# Altium PCB Bran_Main_Assay_PCB_v2_20170828.pcbdoc (part 2 of 5)
Units mm, origin at the board's own origin, x right, y up, seen from the top; angles counter-clockwise.
Board outline 91.65 x 48.25 mm, 6 copper layers (TOP, GND1, Singal, POWER, GND2, BOTTOM), stack 0.8 mm thick; 367 components, 288 nets, 1408 pads, 967 vias.
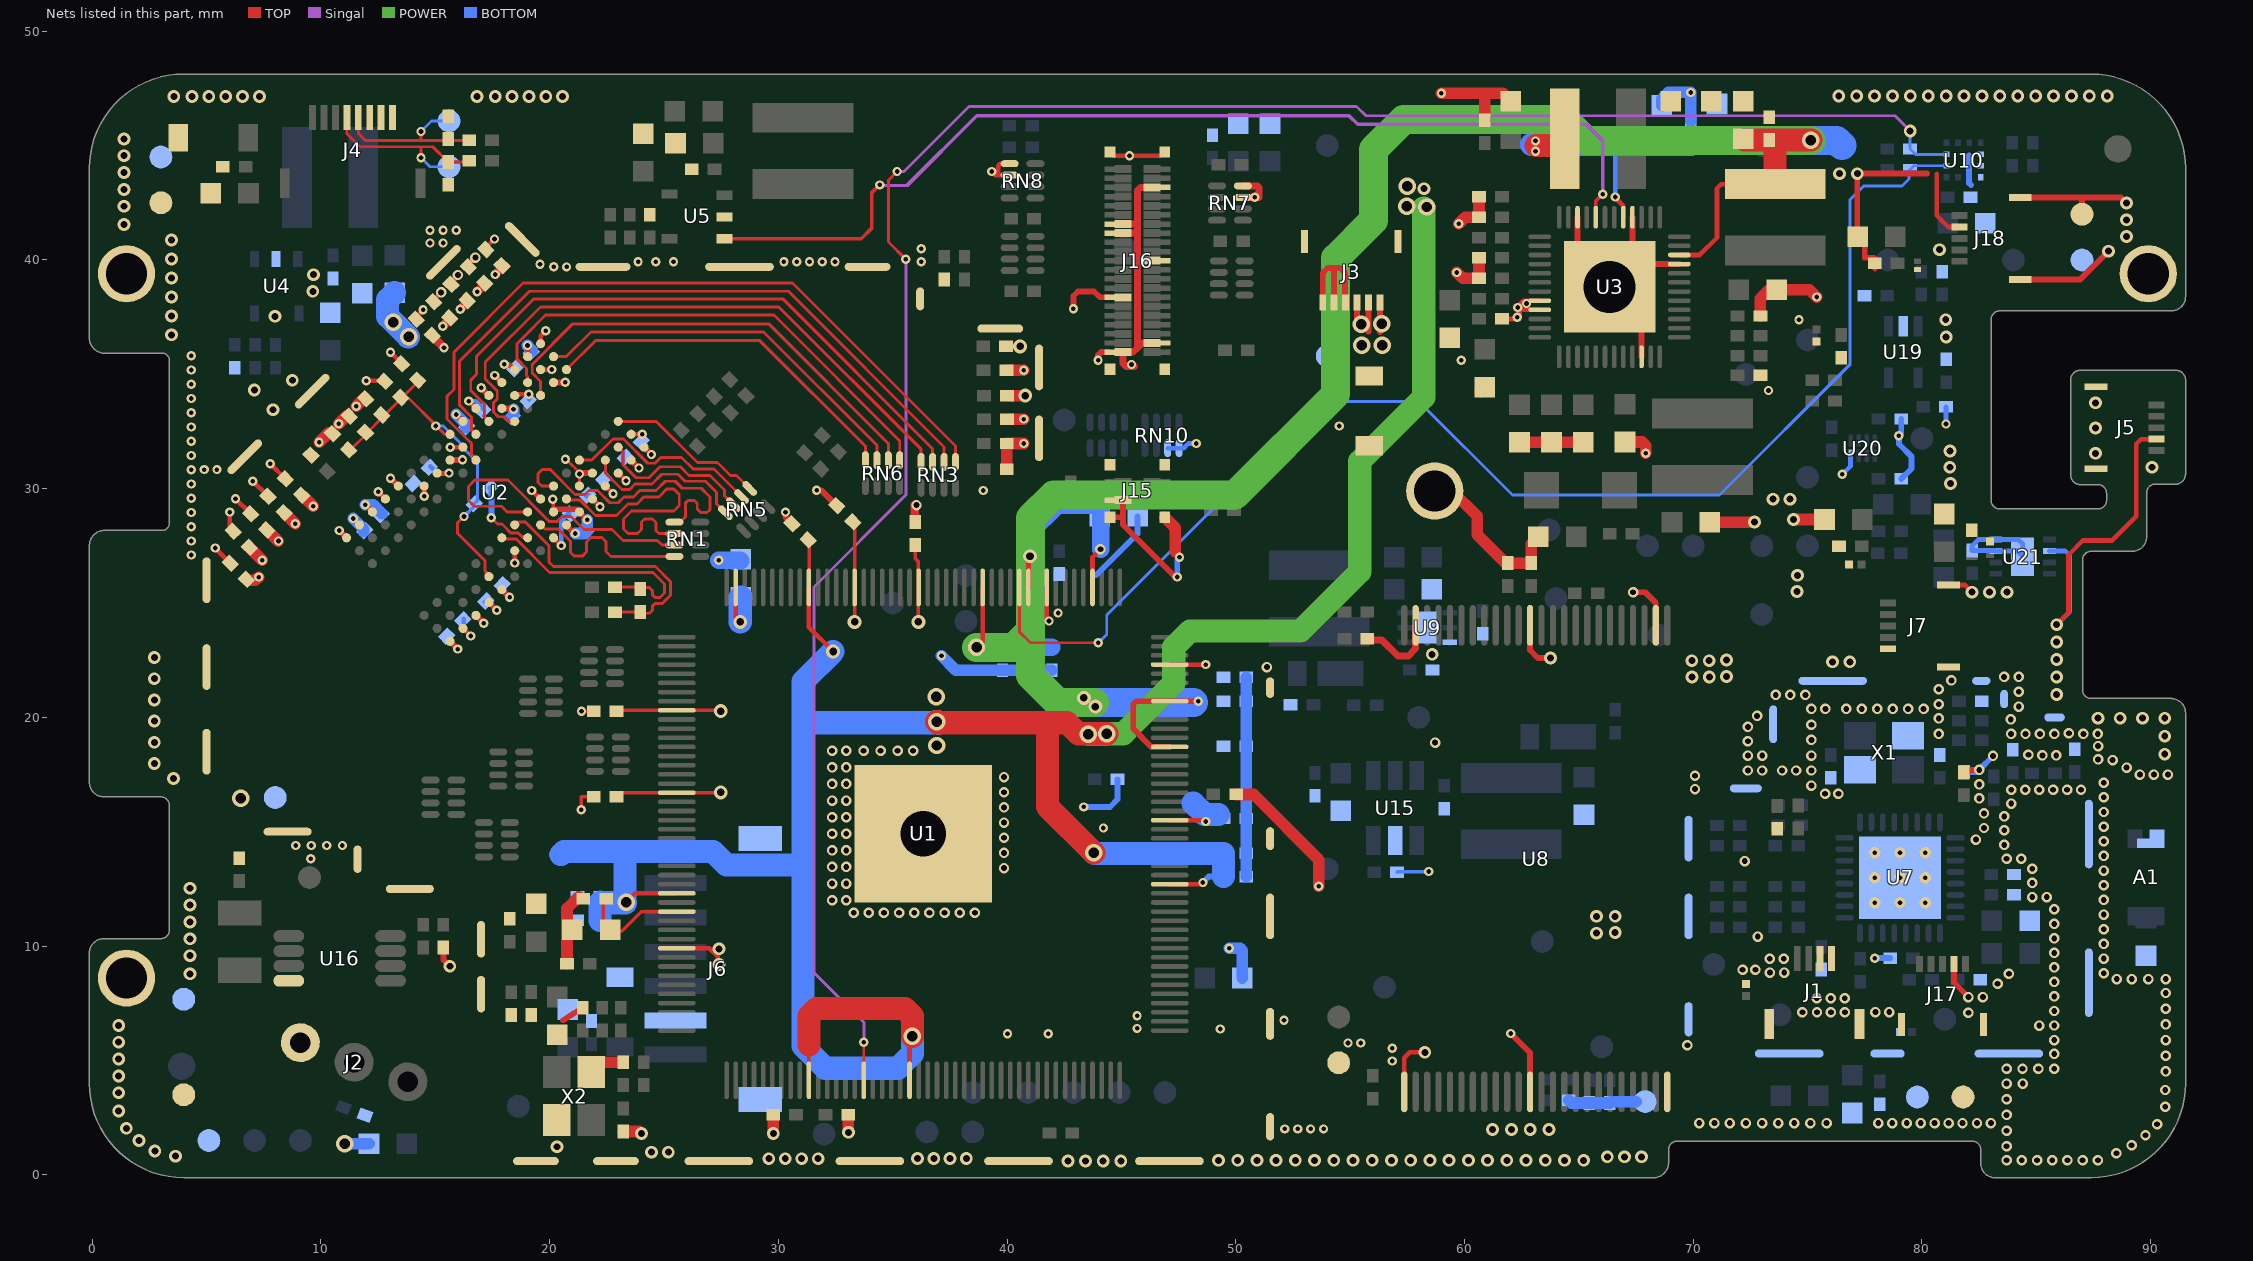
[diagram p6: the nets of this part, all layers, seen from the top]

## Via types
v1: diameter 0.406, hole 0.203, TOP to BOTTOM, tented both sides, 424 vias
v2: diameter 0.457, hole 0.254, TOP to BOTTOM, tented both sides, 256 vias
v3: diameter 0.559, hole 0.305, TOP to BOTTOM, tented both sides, 195 vias
v4: diameter 0.762, hole 0.457, TOP to BOTTOM, tented both sides, 69 vias
v5: diameter 0.61, hole 0.33, TOP to BOTTOM, tented both sides, 11 vias
v6: diameter 0.5, hole 0.2, TOP to BOTTOM, 9 vias
v7: diameter 0.559, hole 0.051, TOP to BOTTOM, tented both sides, 2 vias
v8: diameter 0.508, hole 0.254, TOP to BOTTOM, tented both sides, 1 vias

## Nets (pads, with @x,y where several pads share a name; then routed paths per layer and width w, separated by ;. In a path a pad name is that pad's centre, name@x,y a point inside that pad or via, vN(x,y) a via of type N, cw(c..) or ccw(c..) an arc to the next point about the centre after c; other vN are vias at no path point) (continued)
CORE-VDD: C28.2 C29.2 C30.2 C49.1 C55.1 C56.1 C117.1 L4.2 TP9.1 U1.35 U1.73 U1.98 U1.109 U1.149 U3.17 | length 134.2
  TOP w0.152: U1.98@31.335,4.133 31.335,5.672 ; U1.35@31.335,25.683 31.347,25.694 C49.1@31.347,27.719
  TOP w0.203: v4(23.343,11.919) 23.732,12.308 U1.73@25.56,12.308 ; U1.35@31.335,25.683 31.335,23.938 v5(32.393,22.881) ; U1.109@35.735,4.133 35.735,5.925 v4(35.863,6.053) ; U1.149@47.11,12.708 v1@48.487,12.708 ; v1(66.597,42.756) 66.597,42.715 66.943,42.369 U3.17@66.943,41.869
  TOP w1.016: 31.335,5.672 31.335,6.935 31.672,7.272 35.533,7.272 35.863,6.942 v4(35.863,6.053) ; v4(36.923,19.812) 36.965,19.769 42.634,19.769 43.118,19.285 v4(44.361,19.285) ; 41.768,19.706 41.768,16.099 v4(43.79,14.078) ; 63.143,45.002 64.091,45.002 L4.2@64.385,45.296
  POWER w1.016: v4(43.548,19.272) 43.561,19.285 v4(44.361,19.285) 45.082,19.285 47.293,21.495 47.293,23.071 47.996,23.774 52.822,23.774 55.421,26.373 55.421,31.199 58.215,33.993 v4@58.215,42.27
  BOTTOM w0.203: v1(66.597,42.756) 66.597,44.912
  BOTTOM w0.254: v1(48.563,12.784) 48.817,13.038 C28.2@49.46,13.038
  BOTTOM w0.508: C29.2@22.217,12.166 22.465,11.919 23.292,11.919 v4(23.343,11.919) ; 31.326,5.672 31.326,8.047
  BOTTOM w1.016: TP9.1@20.5,14 20.631,14.131 27.148,14.131 27.738,13.54 30.403,13.54 30.408,13.546 31.072,13.546 ; C117.1@22.199,11.121 22.199,11.895 v4@23.319,11.895 ; v4@23.292,11.919 23.292,14.097 ; v5@32.39,22.876 31.072,21.558 31.072,19.769 ; v4(35.863,6.053) 35.863,5.291 35.228,4.656 32.053,4.656 31.072,5.637 31.072,13.546 ; v4(36.923,19.812) 36.963,19.812 37.006,19.769 31.072,19.769 ; v4@43.823,14.054 C30.2@49.46,14.054 C28.2@49.46,13.038 ; 62.928,45.05 C56.1@69.899,45.05 ; 31.072,13.546 31.072,19.769
  other v1: 63.106,44.748 63.106,45.205
  other v3: 58.231,43.117
  other v4: 36.923,18.77 36.897,20.904 58.344,42.316 57.48,42.342 57.506,43.231
CPU-VDD: C20.2 C21.2 C22.2 C23.2 C24.2 C25.2 C26.2 C27.2 C46.1 C48.1 L2.2 TP8.1 U1.4 U1.9 U1.11 U1.16 U1.156 U1.164 U1.169 U1.173 U3.10 | length 107.5
  TOP w0.203: 38.935,23.333 U1.16@38.935,25.683 ; U1.11@40.935,25.683 40.935,27.047 v5(41.003,27.047) ; U1.9@41.735,25.683 41.735,24.311 v1(41.832,24.214) ; U1.4@43.735,25.683 43.735,27.003 v2(44.082,27.349) ; U1.156@47.11,15.508 v1@48.633,15.508 ; U1.173@47.11,22.308 v1@48.689,22.308 ; U3.10@69.393,40.219 70.283,40.219 71.042,40.978 71.042,43.137 71.222,43.317 L2.2@73.582,43.317
  TOP w0.254: U1.164@47.11,18.708 46.305,18.708 45.515,19.498 45.515,20.581 45.642,20.708 U1.169@47.11,20.708 v1(48.359,20.708)
  TOP w1.016: C46.1@72.24,45.241 C48.1@73.328,45.241 73.582,45.241 ; L2.2@73.582,43.317 73.582,45.241 ; v4@75.138,45.241 73.582,45.241
  POWER w1.27: v4(38.665,23.063) 40.3,23.063 41.029,23.792 ; v5@43.823,20.646 42.225,20.646 41.029,21.842 41.029,23.792 ; v4(75.146,45.233) 65.295,45.233 64.382,46.145 57.338,46.145 56.02,44.827 56.02,41.733 54.368,40.081 54.368,34.131 49.963,29.726 42.038,29.726 41.029,28.716 41.029,23.792
  BOTTOM w0.762: C23.2@39.8,23.063 C21.2@40.943,23.063 ; C22.2@41.959,23.063 C21.2@40.943,23.063 ; v2@44.093,27.349 44.093,29.282 42.222,29.282 41.003,28.063 v5(41.003,27.047) 41.003,23.123 C21.2@40.943,23.063
  BOTTOM w1.016: 48.144,16.251 48.639,15.756 C24.2@49.249,15.756
  BOTTOM w1.27: v5@43.671,20.658 48.132,20.658 ; 48.132,20.646 48.132,20.658 ; 48.144,20.658 48.132,20.658 ; v4(75.146,45.233) 76.267,45.233 TP8.1@76.5,45
  other v1: 48.69,15.451 48.69,22.309
  other v5: 43.864,20.468 43.356,20.849
D+: D7.1 J4.5 R158.1 TP53.1 | length 7.5
  TOP w0.127: J4.5@11.632,46.23 11.632,45.528 11.929,45.231 14.376,45.231 ; v1(14.376,45.618) 14.376,45.231 ; R158.1@16.48,45.231 14.376,45.231
  BOTTOM w0.127: v1(14.376,45.618) 14.835,46.077 TP53.1@15.6,46.077
D-: D8.1 J4.4 R157.1 TP52.1 | length 8.5
  TOP w0.127: J4.4@11.132,46.23 11.132,45.528 11.708,44.951 14.376,44.951 ; v1(14.376,44.475) 14.376,44.951 ; R157.1@16.48,44.342 16.421,44.283 D8.1@15.557,44.283 14.889,44.951 14.376,44.951
  BOTTOM w0.127: v1(14.376,44.475) 14.774,44.077 TP52.1@15.6,44.077
DCIN-5V: D5.1 J3.1 J3.2 J3.3 R14.2 TP32.1 U3.32 U3.33 | length 6.8
  TOP w0.203: R14.2@61.636,37.422 62.235,37.422 v1(62.304,37.49) 62.406,37.593 62.406,38.057 62.568,38.219 U3.32@63.293,38.219 ; v1@62.412,37.819 U3.33@63.293,37.819
  TOP w0.254: v4@55.3,37.083 J3.3@55.3,38.15 ; 55.8,36.865 J3.2@55.8,38.15 ; v4@56.3,36.857 J3.1@56.3,38.15
  other v1: 62.332,37.922 62.713,38.1
  other v4: 55.515,36.271 56.404,36.271 55.49,37.185 56.379,37.211
DQ0: RN3.4 U2.E3 | length 26.8
  TOP w0.127: U2.E3@18.473,32.945 18.218,32.945 18.017,33.146 17.756,33.146 17.542,33.359 17.542,33.76 17.707,33.925 17.707,34.268 17.184,34.792 17.184,35.533 19.597,37.946 30.02,37.946 36.245,31.72 RN3.4@36.245,31.169
DQ1: RN1.1 U2.F7 | length 13.4
  TOP w0.127: U2.F7@20.17,30.117 19.653,30.117 19.495,30.275 19.495,30.656 19.673,30.834 20.029,30.834 21.111,29.751 21.551,29.751 21.716,29.916 22.094,29.916 22.624,29.386 23,29.386 23.254,29.64 23.661,29.64 23.94,29.919 24.651,29.919 25.058,30.326 25.489,30.326 25.794,30.021 26.632,30.021 27.013,29.64 27.013,29.081 26.886,28.954 26.607,28.954 26.455,29.106 26.455,29.358 26.328,29.485 26.046,29.485 25.947,29.386 25.947,28.789 25.693,28.536 RN1.1@25.458,28.536
DQ2: RN3.3 U2.F2 | length 27.6
  TOP w0.127: U2.F2@17.342,32.945 17.137,33.15 17.142,33.359 17.142,33.702 16.549,34.295 16.549,34.745 16.803,34.999 16.803,35.786 19.317,38.301 30.188,38.301 36.746,31.744 RN3.3@36.746,31.169
DQ3: RN1.2 U2.F8 | length 12.7
  TOP w0.127: U2.F8@20.736,29.551 20.789,29.497 21.339,29.497 22.01,28.827 22.924,28.827 23.432,29.335 23.813,29.335 24.118,29.64 24.778,29.64 25.12,29.982 25.427,29.982 25.667,29.741 25.667,29.259 25.439,29.03 23.584,29.03 23.229,28.675 23.229,28.243 23.436,28.036 23.834,28.036 24.016,28.217 24.016,28.548 24.143,28.675 24.498,28.675 24.651,28.522 24.651,28.163 24.778,28.036 RN1.2@25.458,28.036
DQ4: RN3.1 U2.H3 | length 32.2
  TOP w0.127: U2.H3@16.776,31.248 16.776,31.301 16.592,31.485 16.592,31.971 16.368,32.195 15.515,33.048 15.515,34.042 15.812,34.339 15.812,35.964 18.835,38.987 30.62,38.987 37.746,31.862 RN3.1@37.746,31.169
DQ5: RN1.4 U2.H8 | length 7.9
  TOP w0.127: U2.H8@19.605,28.419 19.781,28.243 20.378,28.243 20.917,27.704 20.917,27.213 21.082,27.049 21.425,27.049 21.615,27.239 21.615,27.67 21.806,27.862 22.289,27.862 22.467,27.684 22.467,27.252 22.683,27.036 RN1.4@25.458,27.036
DQ6: RN3.2 U2.G2 | length 29.4
  TOP w0.127: U2.G2@16.776,32.379 16.576,32.58 16.576,33.136 16.066,33.646 16.066,35.583 19.114,38.631 30.442,38.631 37.245,31.828 RN3.2@37.245,31.169
DQ7: RN1.3 U2.H7 | length 13.9
  TOP w0.127: U2.H7@19.039,28.985 18.143,28.985 17.895,29.233 16.701,29.233 16.447,29.487 16.447,30.097 16.726,30.376 18.174,30.376 19.978,28.573 20.333,28.573 20.545,28.785 20.935,28.785 21.502,28.217 22.721,28.217 23.203,27.735 24.709,27.735 24.908,27.536 RN1.3@25.458,27.536
DQ8: RN5.2 U2.D7 | length 8.7
  TOP w0.127: U2.D7@21.302,31.248 21.843,31.248 22.774,32.179 23.15,32.179 23.23,32.174 24.292,31.113 24.608,31.113 24.862,31.367 25.769,31.367 26.277,30.859 27.189,30.859 RN5.2@28.391,29.657
DQ9: RN6.2 U2.C3 | length 20.7
  TOP w0.127: U2.C3@19.605,34.076 19.605,34.691 19.239,35.056 19.239,35.434 21.014,37.209 29.579,37.209 34.807,31.981 RN6.2@34.807,31.246
DQ10: RN5.4 U2.C8 | length 7.4
  TOP w0.127: U2.C8@22.433,31.248 22.433,30.691 23.164,29.96 23.498,29.96 23.737,30.199 24.47,30.199 24.901,30.63 25.616,30.63 25.921,30.326 26.81,30.326 27.294,29.841 27.294,29.339 RN5.4@27.684,28.95
DQ11: RN6.1 U2.C2 | length 22.3
  TOP w0.127: U2.C2@19.039,34.642 19.039,34.897 18.985,34.951 18.985,35.253 18.581,35.658 18.581,36.349 18.877,36.642 19.825,37.59 29.807,37.59 35.307,32.09 RN6.1@35.307,31.246
DQ12: RN5.1 U2.A7 | length 7
  TOP w0.127: U2.A7@22.999,32.945 24.652,32.945 26.458,31.138 27.344,31.138 27.902,30.58 28.176,30.58 RN5.1@28.745,30.011
DQ13: RN6.3 U2.A2 | length 17.3
  TOP w0.127: U2.A2@20.17,35.773 20.726,35.773 21.806,36.853 29.35,36.853 34.307,31.896 RN6.3@34.307,31.246
DQ14: RN5.3 U2.B8 | length 7
  TOP w0.127: U2.B8@22.999,31.813 23.199,31.613 23.199,31.097 ; RN5.3@28.038,29.304 27.648,29.693 27.648,29.945 27.013,30.58 26.099,30.58 25.718,30.961 24.829,30.961 24.346,30.478 23.777,30.478 23.211,31.044 ; 23.199,31.097 23.211,31.085 23.211,31.044 ; 23.199,31.097 23.211,31.044
DQ15: RN6.4 U2.A3 | length 16.1
  TOP w0.127: U2.A3@20.736,35.207 22.001,36.472 29.19,36.472 33.807,31.856 RN6.4@33.807,31.246
DRAM-REF: C81.1 C83.2 C95.1 C96.1 R86.1 R90.2 U2.H1 U2.M8 | length 16
  TOP w0.127: C95.1@11.255,31.657 11.992,32.393 11.992,32.419 C83.2@12.703,33.13 ; C83.2@12.703,33.181 C83.2@12.703,33.13 ; R86.1@14.278,34.705 C81.1@13.516,33.943 ; U2.H1@15.645,32.379 15.409,32.379 v1@15.037,32.751 ; v1(16.253,28.786) 15.964,28.497 15.964,28.065 17.166,26.863 17.166,26.415 17.342,26.239 U2.M8@17.342,26.156 ; C83.2@12.703,33.13 C81.1@13.516,33.943 ; C81.1@13.516,33.943 13.846,33.943 v1@14.974,32.815 ; v1@14.974,32.815 v1@15.037,32.751 ; v1@14.974,32.815 v1(15.025,32.739) ; v1@14.974,32.815 14.974,32.789 v1(15.025,32.739) ; v1(15.025,32.739) v1@15.037,32.751
  BOTTOM w0.127: v1(15.025,32.739) 15.348,32.739 16.093,31.994 16.093,31.904 16.853,31.144 C96.1@16.853,29.487 ; C96.1@16.661,29.193 16.661,29.295 C96.1@16.703,29.337 C96.1@16.853,29.487 ; C96.1@16.848,29.482 C96.1@16.853,29.487
  BOTTOM w0.152: v1(16.253,28.786) C96.1@16.661,29.193 ; C96.1@16.703,29.337 C96.1@16.848,29.482
DRAM-VCC: C33.2 C34.2 C35.2 C36.2 C81.2 C82.1 C85.1 C86.1 C87.1 C88.1 C89.1 C90.1 C91.1 C92.1 C93.1 C94.1 C97.1 C98.1 C99.1 C100.1 C101.1 C102.1 C103.1 C104.1 C105.1 C106.1 C142.2 L13.1 R86.2 R89.2 TP49.1 U1.23 U1.30 U1.43 U1.53 U1.62 U2.A1 U2.A8 U2.B2 U2.C1 U2.C9 U2.D2 U2.D9 U2.E9 U2.F1 U2.G7 U2.H2 U2.H9 U2.K2 U2.K8 U2.N1 U2.N9 U2.R1 U2.R9 | length 48.4
  TOP w0.152: v2@15.974,39.327 v2(15.99,39.343) ; C36.2@22.983,16.535 22.983,16.569 23.122,16.708 U1.62@25.56,16.708 v5@27.468,16.708 ; C33.2@22.983,20.274 23.017,20.308 U1.53@25.56,20.308 27.45,20.308 v5(27.481,20.277) ; C34.2@33.302,28.507 33.332,28.477 33.332,25.68 U1.30@33.335,25.683 v5@33.335,24.179 ; v5(33.332,24.176) v5@33.332,24.179 ; C35.2@35.98,27.48 35.98,26.945 36.126,26.798 v5@36.126,24.303
  TOP w0.203: v1(5.373,27.405) C90.1@5.993,26.785 ; C91.1@6.058,28.243 C91.1@6.12,28.182 ; v1@6.058,28.937 v1(6.018,28.977) 6.018,28.283 C91.1@6.162,28.139 ; v1(6.262,29.564) C92.1@6.882,28.944 ; v1(7.024,30.326) C93.1@7.644,29.706 ; v1(7.786,31.088) C94.1@8.406,30.468 ; v1(11.412,28.698) 11.685,28.425 U2.R1@11.685,28.419 ; v1(11.976,34.715) 12.729,34.715 C81.2@12.749,34.735 ; v1(12.506,29.861) U2.N1@12.816,29.551 ; v1(13.04,35.967) 13.486,35.522 R86.2@13.486,35.497 ; C102.1@14.121,37.473 v1(14.466,37.819) ; C103.1@14.883,38.215 v2(15.253,38.581) ; U2.K2@15.079,30.682 v1(15.597,30.682) ; v1(15.649,31.809) U2.H2@16.21,31.814 ; U2.R9@16.21,23.894 v1(16.547,23.558) ; C105.1@16.407,39.739 16.407,39.759 v2(16.752,40.105) ; v1(16.457,33.83) U2.F1@16.776,33.511 ; C106.1@17.169,40.501 v1(17.59,40.917) ; U2.N9@17.342,25.025 v1(17.683,24.684) ; v1(18.473,26.75) U2.K8@18.473,27.288 ; U2.D2@18.473,34.076 18.524,34.127 v1(19.09,34.127) ; U2.C1@18.473,35.207 18.275,35.406 v1@18.104,35.406 ; v1(19.216,29.919) 19.584,29.551 U2.G7@19.604,29.551 ; U2.B2@19.604,35.207 v1(20.092,35.212) ; U2.A1@19.605,36.339 19.605,36.684 v1(19.825,36.904) ; U2.H9@20.17,27.854 v1(20.512,27.512) ; U2.E9@21.867,29.551 v1(22.205,29.214) ; U2.D9@22.433,30.117 v1(22.774,29.775) ; U2.C9@22.999,30.682 v1(23.34,30.341) ; U2.A8@23.565,32.379 v1(24.052,32.379) ; U1.43@28.135,25.683 28.135,24.375 v5(28.334,24.176) ; R89.2@40.018,36.227 v5@40.738,36.227 ; v1@18.104,35.406 v1(18.009,35.437) 18.073,35.437 v1@18.104,35.406
  TOP w0.254: C104.1@15.645,38.977 15.974,39.306 v2@15.974,39.327
  TOP w0.508: C82.1@40.054,34.071 v5(40.794,34.071)
  BOTTOM w0.203: C89.1@14.786,30.975 15.079,30.682 v1(15.597,30.682) ; C98.1@16.242,24.303 16.242,23.971 16.187,23.917 v1(16.547,23.558) ; v1(16.457,33.83) 16.76,33.83 C99.1@17.124,33.465 ; C97.1@17.172,25.048 C97.1@17.254,25.048 ; C97.1@17.254,25.048 17.319,25.048 v1(17.683,24.684) ; v1(18.009,35.437) 18.214,35.437 C100.1@18.439,35.213 ; v1(19.09,34.127) 19.104,34.113 C101.1@19.104,33.896 ; v1(20.512,27.512) 20.512,28.604 C88.1@20.851,28.943 ; C85.1@21.614,29.676 21.666,29.676 21.705,29.714 v1(22.205,29.214)
  BOTTOM w0.508: v1(11.412,28.698) 11.876,28.234 C87.1@11.876,28.118
  BOTTOM w1.016: L13.1@13.221,38.563 12.916,38.259 12.916,37.535 13.815,36.635 v4(13.83,36.635) ; v5(28.334,24.176) 28.334,25.236 C142.2@28.354,25.256
  other v4: 6.489,16.459 13.153,37.275
  other v5: 27.481,16.721 36.126,24.176 40.573,36.225
DSCK: C109.2 R65.1 U2.J7 | length 11.8
  TOP w0.127: U2.J7@18.473,28.419 18.601,28.548 18.936,28.548 19.978,27.506 19.978,26.783 20.168,26.592 24.626,26.592 25.275,25.942 25.275,25.335 24.925,24.985 24.617,24.985 24.49,24.858 24.49,24.679 24.363,24.552 23.955,24.552 23.903,24.604 R65.1@22.915,24.603
DSCK-N: C109.1 R68.1 U2.K7 | length 10.8
  TOP w0.127: U2.K7@17.908,27.854 17.962,27.8 18.537,27.8 19.999,26.338 24.52,26.338 25.021,25.837 25.021,25.441 24.82,25.239 24.617,25.239 24.49,25.366 24.49,25.545 24.363,25.672 23.955,25.672 23.931,25.696 R68.1@22.915,25.696
EXTEN: U3.20 U5.1 | length 45.4
  TOP w0.152: U5.1@27.648,40.928 33.625,40.928 34.074,41.377 34.074,42.926 v1(34.429,43.282) ; U3.20@65.743,41.869 65.743,42.578 v1(66.04,42.875)
  Singal w0.152: v1@34.455,43.256 35.623,43.256 38.671,46.304 54.952,46.304 55.327,45.929 65.322,45.929 66.04,45.212 v1(66.04,42.875)
G_INT1: R130.2 U1.104 U10.12 | length 91.2
  TOP w0.127: U1.104@33.735,4.133 v1@33.735,5.795 ; v1(35.191,43.866) 34.81,43.485 34.81,40.792 v1(35.572,40.03)
  Singal w0.127: v1(33.739,5.799) 33.739,6.653 31.554,8.838 31.554,25.7 35.572,29.718 v1(35.572,40.03) ; v1(35.191,43.866) 35.496,43.866 38.341,46.711 55.283,46.711 55.689,46.304 78.828,46.304 v3(79.489,45.644)
  BOTTOM w0.127: v3@79.481,45.636 R130.2@79.481,44.852 79.714,44.619 U10.12@81.076,44.619
G_INT2: R129.2 U1.12 U10.11 | length 59.6
  TOP w0.127: U1.12@40.535,25.683 40.535,23.746 41.019,23.262 v1(43.991,23.262)
  BOTTOM w0.127: v1(43.991,23.262) 44.359,23.63 44.359,24.482 53.685,33.807 58.005,33.807 62.094,29.718 71.149,29.718 76.848,35.416 76.848,42.622 77.457,43.231 79.133,43.231 79.438,43.536 79.438,43.899 79.658,44.119 U10.11@81.076,44.119
GND: A1.1 A1.3@89.8,14.5 C2.1 C3.1 C4.1 C5.1 C7.1 C8.1 C9.1 C10.1 C15.2 C16.1 C17.1 C18.1 C19.1 C20.1 C21.1 C22.1 C23.1 C24.1 C25.1 C26.1 C27.1 C28.1 C29.1 C30.1 C31.1 C32.1 C33.1 C34.1 C35.1 C36.1 C37.1 C38.1 C39.2 C40.1 C41.1 C44.2 C45.2 C46.2 C47.2 C48.2 C49.2 C50.2 C51.2 C52.2 C53.2 C54.2 C55.2 C56.2 C57.2 C59.1 C60.2 C61.2 C62.1 C63.1 C64.2 C65.2 C66.2 C67.2 C68.2 C69.1 C70.1 C71.1 C83.1 C84.2 C85.2 C86.2 C87.2 C88.2 C89.2 C90.2 C91.2 C92.2 C93.2 C94.2 C95.2 C96.2 C97.2 C98.2 C99.2 C100.2 C101.2 C102.2 C103.2 C104.2 C105.2 C106.2 C111.1 C116.1 C117.2 C120.1 C121.1 C122.1 C123.1 C142.1 C145.1 C146.1 C148.1 C152.1 C154.1 C155.1 C156.2 C157.2 C158.1 C159.2 C174.2 C175.2 C176.2 C204.1 C207.1 C208.1 C209.1 C215.2 C216.2 C220.2 C221.2 C225.2 C226.2 C227.2 C228.2 C235.2 C236.2 C237.2 C238.2 C240.1 C241.2 C242.2 C243.1 C244.1 C246.2 C247.2 C248.1 C249.1 C250.2 C251.1 C252.1 C253.1 D2.2 D4.1 D5.2 D6.2 D7.2 D8.2 D13.2 D14.2 D15.2 D19.2 D20.2 J1.3 J1.4 J1.5 J1.6 J2.3 J3.4 J3.5 J3.6 J3.7 J3.8 J4.6 J4.7 J4.8 J5.4 J5.6 J5.7 J6.2 J6.7 J6.8 J7.1 J7.6 J7.7 J15.6 J15.7 J15.8 J15.9 J15.10 J16.5 J16.14 J16.16 J16.21 J16.30 J16.39 J16.42 J16.43 J16.44 J16.45 J16.46 J17.4 J17.6 J17.7 J18.4 J18.6 J18.7 pad.0 pad.1 R1.1 R2.1 R12.1 R17.1 R19.1 R28.2 R35.2 R50.1 R71.1 R90.1 R91.1 R94.1 R151.1 R155.1 R160.2 R178.1 R180.2 R188.1 R190.2 R210.2 RN7.3 RN7.4 RN8.1 RN8.2 RN10.1 RN10.2 TP4.1 TP15.1 TP16.1 TP17.1 TP18.1 TP19.1 TP20.1 TP21.1 TP22.1 TP24.1 TP56.1 U1.79 U1.177 U2.A9 U2.B1 U2.B3 U2.B9 U2.D1 U2.D8 U2.E1 U2.E2 U2.E8 U2.F9 U2.G1 U2.G8 U2.G9 U2.J2 U2.J8 U2.L2 U2.M1 U2.M9 U2.P1 U2.P9 U2.T1 U2.T9 U3.9 U3.16 U3.22 U3.46 U3.49 U4.2 U5.2 U7.33 U8.2 U8.13 U8.23 U8.25 U8.36 U8.48 U9.3 U9.7 U10.5 U10.6 U10.7 U10.8 U15.2 U16.4 U19.2 U20.4 U21.2 U21.7 U21.8 U21.9 X1.2 X1.4 X2.2 X2.4 | length 220
  TOP w0.127: v1(17.453,28.725) 17.722,28.456 17.91,28.456 18.312,28.054 18.642,28.054 18.843,27.854 U2.J8@19.039,27.854 ; U2.G8@20.139,29.034 v1(20.139,29.538) 20.17,29.507 U2.G8@20.17,28.985 ; v1(20.689,31.291) 20.714,31.291 v1@21.323,30.682 ; U2.E8@21.302,30.165 U2.E8@21.306,30.165 ; U2.E8@21.302,30.165 v1@21.302,30.637 ; U2.E8@21.302,30.165 U2.E8@21.302,30.117 U2.E8@21.306,30.165 ; v1@21.302,30.637 v1(21.306,30.642) v1@21.323,30.682 ; v1@21.302,30.637 v1(21.306,30.642) ; U2.E8@21.306,30.165 v1(21.306,30.642) ; v1(21.306,30.642) v1@21.323,30.682 ; C35.1@35.97,28.649 35.98,28.6 35.98,28.64 C35.1@35.97,28.649
  TOP w0.14: U2.G8@20.139,29.034 U2.G8@20.17,28.985
  TOP w0.152: v1(21.385,15.959) 21.385,16.522 21.399,16.535 C36.1@21.863,16.535 ; v1(21.394,20.265) 21.403,20.274 C33.1@21.863,20.274
  TOP w0.2: 47.358,27.244 47.54,27.062 v1(47.54,27) ; C253.1@77.875,40.056 77.875,39.675 77.963,39.587
  TOP w0.203: U1.79@25.56,9.908 26.981,9.908 27.343,9.546 v3@27.343,9.241 ; v1(39.331,43.866) 39.488,43.709 39.615,43.709 ; RN8.2@40.113,43.709 39.615,43.709 ; RN8.1@40.113,44.209 39.705,44.209 39.615,44.12 39.615,43.709 ; J16.45@44.505,44.72 44.674,44.551 v1(45.355,44.551) 46.726,44.551 J16.43@46.895,44.72 ; U8.25@57.367,3.624 57.367,5.117 57.605,5.355 v3(58.266,5.355) ; 80.644,43.764 80.644,41.944 81.146,41.442 J18.4@81.648,41.442 ; J7.7@81.17,25.79 81.879,25.79 v3(82.193,25.476) ; v3(85.894,24.054) 86.409,24.569 86.409,27.102 87.044,27.737 88.32,27.737 89.369,28.786 89.369,31.953 89.581,32.164 J5.4@90.263,32.164
  TOP w0.254: v1(10.799,28.173) U2.T1@11.12,27.854 ; v1(11.941,29.295) U2.P1@12.251,28.985 ; v1(13.045,30.454) U2.M1@13.382,30.116 ; v1(14.513,29.668) U2.L2@14.513,30.117 ; C31.1@15.354,9.939 15.354,9.398 v3(15.633,9.119) ; U2.T9@15.645,23.328 v1(15.986,22.987) ; U2.J2@15.645,31.248 16.165,31.248 v1(16.188,31.27) ; v1(15.909,33.246) U2.G1@16.21,32.945 ; U2.P9@16.776,24.46 v1(17.117,24.118) ; v1(17.005,34.413) U2.E1@17.342,34.076 ; v1(17.597,34.952) U2.D1@17.908,34.642 ; U2.M9@17.907,25.591 v1(18.249,25.249) ; U2.E2@17.908,33.511 v1@18.385,33.511 ; v1(19.031,36.261) 19.039,36.253 U2.B1@19.039,35.773 ; U2.G8@20.17,28.985 20.287,29.102 21.185,29.102 U2.F9@21.302,28.985 v1(21.643,28.644) ; U2.B3@20.17,34.642 v1(20.683,34.649) ; 20.573,6.756 R2.1@21.424,7.29 ; U2.G9@20.736,28.419 20.736,28.378 21.074,28.04 v1(21.121,28.04) ; R2.1@21.31,7.163 R2.1@21.454,7.307 ; v1@21.323,30.682 U2.D8@21.867,30.682 ; U2.B9@23.564,31.248 v1(23.906,30.906) ; U2.A9@24.13,31.814 v1(24.45,31.494) ; v1(30.31,28.977) 30.31,28.756 C49.2@30.555,28.511 ; v1(31.672,29.929) 31.88,29.929 C34.1@32.51,29.299 ; v1(42.901,37.871) 42.901,38.424 43.104,38.627 43.803,38.627 44.06,38.37 J16.30@44.475,38.37 ; v1(43.98,35.611) 43.98,35.839 44.11,35.97 J16.42@44.475,35.97 ; J15.10@44.505,28.75 45.062,28.75 45.065,28.753 ; J15.6@45.065,29.5 45.065,28.753 ; v1(47.438,26.136) 47.352,26.136 45.065,28.424 45.065,28.753 ; J3.6@53.8,38.15 53.8,39.437 54.013,39.649 54.3,39.649 ; J3.5@54.3,38.15 54.3,39.649 ; J3.4@54.8,38.15 54.775,38.175 54.775,39.446 54.571,39.649 54.3,39.649 ; v1(62.025,6.18) 62.867,5.338 U8.36@62.867,3.624 ; U8.13@62.873,24.03 U8.13@62.867,24.024 62.867,22.942 63.208,22.602 v3(63.767,22.602) ; U3.49@64.943,40.219 U3.22@64.943,41.869 ; U3.16@67.343,41.869 67.343,39.819 U3.9@69.393,39.819 ; v2(67.373,25.47) 67.905,25.47 68.367,25.008 U8.2@68.367,24.024 ; U3.46@67.743,35.769 U3.49@67.743,37.419 ; C253.1@77.9,40.1 77.5,40.1 77.5,40.875 77.175,41.2 v3(77.175,43.774) 80.226,43.774 ; J17.4@81.4,9.225 81.4,8.405 v2(82.033,7.772) ; C244.1@81.826,17.594 81.935,17.704 v2(82.511,17.704) ; J18.6@84.298,39.152 86.921,39.152 v3(88.154,40.386) ; J18.7@84.298,42.732 87,42.732 ; TP18.1@87,42 87,42.732 ; v3(88.942,42.494) 88.704,42.732 87,42.732
  TOP w0.305: J16.42@45.065,35.941 45.065,35.484 45.199,35.35 v1@45.58,35.35 ; J16.42@45.065,35.97 45.514,35.97 45.695,36.15 ; J16.16@45.065,41.17 45.691,41.17 ; J16.14@45.065,41.57 45.691,41.57 ; J16.39@46.335,36.37 45.914,36.37 45.695,36.15 ; J16.21@46.335,39.97 45.836,39.97 45.695,39.829 ; J16.5@46.335,43.17 45.836,43.17 45.695,43.029 45.695,39.829 ; RN7.3@50.31,42.738 50.315,42.742 51.016,42.742 51.016,43.173 50.952,43.238 RN7.4@50.31,43.238 ; C111.1@55.757,23.444 C111.1@55.753,23.44 55.799,23.393 56.375,23.393 57.086,22.682 57.545,22.682 57.867,23.004 U8.23@57.867,24.024 U8.23@57.869,24.022 ; 45.695,36.15 45.695,39.829
  TOP w0.381: C102.2@14.913,36.661 14.913,36.635 v1(15.38,36.168) ; v1(15.329,37.107) 15.645,37.423 C103.2@15.675,37.423 ; v1(16.091,37.844) C104.2@16.436,38.184 ; v1(16.828,38.606) 17.169,38.947 C105.2@17.199,38.947 ; v1(17.615,39.368) C106.2@17.96,39.708 ; C35.1@35.98,28.6 35.97,28.649 v2@35.963,29.183 ; v2@35.963,29.183 35.963,29.282 v2(36.039,29.282) v2@35.963,29.183
  TOP w0.508: C90.2@6.785,25.993 7.136,25.993 v1(7.278,26.135) ; C91.2@6.912,27.39 v1(7.43,26.871) ; C92.2@7.674,28.152 7.699,28.152 v1(8.141,27.709) ; C93.2@8.436,28.914 v1(8.878,28.471) ; C94.2@9.198,29.676 9.223,29.676 v1(9.665,29.233) ; v1(9.919,32.027) 10.341,32.449 C95.2@10.463,32.449 ; v1(10.783,32.84) 11.153,33.211 R90.1@11.2,33.211 ; v1(11.545,33.602) C83.1@11.91,33.973 ; C10.1@20.758,9.228 20.758,11.645 C9.1@21.275,12.162 ; X2.2@21.817,4.495 22.249,4.927 C38.1@23.214,4.927 ; C37.1@23.228,1.881 C37.1@23.214,1.895 23.923,1.895 v3(24.015,1.803) ; C17.1@29.775,2.624 29.781,2.618 v3(29.781,1.803) ; v3(33.061,1.858) C19.1@33.061,2.624 ; R94.1@39.985,30.859 C148.1@39.985,31.977 ; C84.2@40.031,35.18 v1(40.726,35.18) ; C148.1@40.045,31.977 v1(40.729,31.977) ; R91.1@40.054,33.042 v1(40.728,33.042) ; J15.8@46.895,28.75 47.358,28.287 47.358,27.244 ; C7.1@50.017,16.63 50.784,16.63 53.632,13.782 v1(53.632,12.616) ; pad.0@58.7,29.9 59.456,29.9 60.552,28.804 60.552,27.992 61.798,26.746 C207.1@61.898,26.746 C204.1@62.914,26.746 62.914,27.58 C45.2@63.231,27.897 ; v1(58.991,47.288) 61.684,47.288 C67.2@62.025,46.948 ; v1(59.666,39.454) 59.92,39.2 C59.1@60.636,39.2 C60.2@60.636,40.089 ; v1(59.753,41.588) 60.032,41.867 C71.1@60.636,41.867 C62.1@60.636,42.756 ; C53.2@60.691,34.247 C53.2@60.882,34.438 ; R19.1@60.882,46.114 60.882,47.226 ; C40.1@62.406,32.025 C68.2@63.803,32.025 C63.1@65.2,32.025 ; C39.2@67.017,32.042 67.771,32.042 67.932,31.881 v1(67.932,31.547) ; C44.2@70.724,28.532 v3@72.693,28.532 ; R151.1@72.939,37.549 72.939,38.303 73.328,38.692 C47.2@73.645,38.692 75.087,38.692 v1(75.399,38.379) ; v3(74.388,28.651) C157.2@75.742,28.651
  BOTTOM w0.152: R190.2@57.053,13.229 57.085,13.261 v1(58.444,13.261)
  BOTTOM w0.203: RN10.2@47.024,31.774 RN10.1@47.524,31.774 47.717,31.774 47.917,31.974 v1(48.273,31.974) ; v1(76.521,30.632) 76.881,30.992 U20.4@76.881,31.44 ; v1(81.056,32.829) C236.2@81.056,33.579 ; U21.2@85.578,27.276 86.261,27.276 86.46,27.076 86.46,24.62 v3(85.894,24.054) ; C238.2@82.193,27.297 82.193,27.508 82.46,27.776 U21.8@83.228,27.776 84.212,27.776 84.403,27.584 U21.9@84.403,27.026 84.153,27.276 U21.7@83.228,27.276 83.206,27.297 C238.2@82.193,27.297
  BOTTOM w0.254: C96.2@17.41,30.044 17.453,30.002 v1(17.453,28.725) ; v1(43.356,16.086) 44.499,16.086 44.831,16.418 C18.1@44.831,17.293 ; 43.89,26.213 45.705,28.028 C20.1@45.705,28.786 ; v1(47.438,26.136) 47.438,26.898 v1(47.54,27) ; v1(77.944,9.474) C246.2@78.612,9.474 ; C242.2@79.1,30.429 79.551,30.881 79.551,31.398 78.994,31.956 v1(78.994,32.309) 79.1,32.414 C241.2@79.1,33.045 ; C175.2@81.837,17.606 82.414,17.606 v2(82.511,17.704) 82.511,17.716 v2(83.109,18.313) ; 82.066,44.577 82.066,43.358 82.142,43.282
  BOTTOM w0.508: v4@11.098,1.354 C41.1@12.101,1.354 ; v1(11.941,29.295) 12.282,29.295 C87.2@12.668,28.91 ; v1(15.909,33.246) 16.34,32.815 16.34,32.68 C99.2@16.332,32.673 ; C101.2@18.312,33.105 18.423,33.215 v1(18.423,33.473) ; v1(19.031,36.261) 19.231,36.061 C100.2@19.231,36.005 ; v1(21.121,28.04) 21.531,28.04 21.643,28.151 21.643,28.193 v1(21.643,28.644) ; v1(37.133,22.69) 37.76,22.063 C23.1@39.8,22.063 C21.1@40.943,22.063 C22.1@41.959,22.063 ; v1(49.715,9.902) 50.195,9.902 50.287,9.81 C15.2@50.287,8.606 ; C28.1@50.46,13.038 C30.1@50.46,14.054 C24.1@50.46,15.578 C25.1@50.46,18.741 C26.1@50.46,20.697 C27.1@50.46,21.763 ; R35.2@64.557,3.259 64.676,3.14 C208.1@65.454,3.14 C209.1@66.343,3.14 C209.1@66.399,3.196 ; C209.1@66.403,3.2 TP24.1@67.5,3.2 ; C55.2@68.629,46.757 68.629,47.036 68.921,47.328 69.899,47.328 C56.2@69.899,46.05
  BOTTOM w0.762: v1(27.394,26.871) 28.326,26.871 C142.1@28.354,26.843
  other v1: 52.137,2.006 52.704,2.006 53.272,2.006 53.839,2.006 56.836,4.978 56.836,5.537 54.906,5.766 55.465,5.766 40.021,6.172 41.799,6.172 49.318,6.375 45.686,6.401 52.112,6.756 45.686,6.959 9.55,13.817 8.9,14.402 9.58,14.402 10.259,14.402 10.938,14.402 44.212,15.164 42.231,24.562 4.334,27.102 4.334,27.711 4.334,28.334 4.334,28.958 4.334,29.581 38.955,29.921 4.334,30.204 4.334,30.828 4.893,30.835 5.452,30.835 4.334,31.451 4.334,32.074 4.334,32.697 54.521,32.741 4.334,33.321 4.334,33.944 73.291,34.29 4.334,34.567 4.334,35.191 45.441,35.433 59.859,35.611 4.334,35.814 74.624,37.389 20.177,39.699 20.741,39.697 19.576,39.814 23.867,39.929 24.642,39.929 25.416,39.929 30.242,39.929 30.801,39.929 31.36,39.929 31.919,39.929 32.478,39.929 36.246,39.929 36.246,40.487 14.765,40.741 15.341,40.741 14.765,41.3 15.341,41.3 15.917,41.3 50.825,42.748 69.895,47.324
  other v2: 83.705,0.635 84.37,0.635 85.034,0.635 85.699,0.635 86.364,0.635 87.028,0.635 87.693,0.635 88.506,0.94 83.705,1.245 89.166,1.295 89.776,1.727 83.705,1.93 90.284,2.21 70.269,2.261 70.929,2.261 71.6,2.261 72.305,2.261 73.01,2.261 73.715,2.261 74.421,2.261 75.126,2.261 75.831,2.261 78.092,2.261 78.701,2.261 79.336,2.261 79.946,2.261 80.556,2.261 81.165,2.261 81.775,2.261 82.41,2.261 83.019,2.261 83.705,2.616 90.639,2.972 83.705,3.302 90.639,3.708 83.705,3.988 84.412,3.987 90.665,4.521 83.705,4.639 84.399,4.639 85.094,4.639 85.788,4.639 90.665,5.207 85.788,5.283 69.748,5.664 85.788,5.893 90.665,5.893 85.134,6.527 85.788,6.528 90.665,6.579 82.033,7.086 74.778,7.112 75.413,7.112 76.022,7.112 76.632,7.112 77.965,7.112 78.574,7.112 85.788,7.163 90.665,7.264 75.404,7.721 76.013,7.721 76.623,7.721 82.668,7.772 85.788,7.798 90.665,7.95 83.312,8.356 85.788,8.433 88.519,8.56 89.179,8.56 89.903,8.56 90.665,8.56 83.807,8.788 87.947,8.814 73.353,8.839 73.981,8.839 72.16,8.966 72.719,8.966 85.788,9.068 73.346,9.449 73.956,9.449 87.947,9.455 85.788,9.703 87.947,10.096 85.788,10.338 72.822,10.414 87.947,10.736 85.788,10.973 87.947,11.377 33.299,11.455 33.952,11.455 34.615,11.455 35.278,11.455 35.941,11.455 36.604,11.455 37.267,11.455 37.93,11.455 38.593,11.455 85.788,11.608 32.347,12.008 32.969,12.008 87.947,12.018 84.823,12.141 85.458,12.141 87.947,12.659 32.347,12.734 32.969,12.734 84.823,12.763 87.947,13.3 84.823,13.386 39.865,13.41 32.347,13.46 32.969,13.46 72.254,13.716 83.705,13.818 84.34,13.818 87.947,13.941 39.865,14.073 32.347,14.186 32.969,14.186 83.604,14.427 87.947,14.582 82.359,14.656 39.865,14.736 32.347,14.912 32.969,14.912 83.604,15.062 82.715,15.164 87.947,15.222 39.865,15.399 32.347,15.638 32.969,15.638 83.604,15.672 82.715,15.799 87.947,15.863 39.865,16.061 83.908,16.231 32.347,16.364 32.969,16.364 82.511,16.459 87.947,16.504 75.768,16.662 76.352,16.662 39.865,16.724 83.908,16.84 84.518,16.84 85.128,16.84 85.737,16.84 86.347,16.84 86.956,16.84 70.079,16.865 75.171,17.018 82.511,17.069 32.347,17.09 32.969,17.09 87.947,17.145 39.865,17.387 70.079,17.45 89.535,17.5 90.145,17.5 90.754,17.5 72.39,17.678 73.012,17.678 73.889,17.678 74.498,17.678 75.171,17.678 32.347,17.816 32.969,17.816 88.949,17.805 88.34,18.136 87.705,18.161 72.39,18.33 73.016,18.33 75.171,18.33 85.268,18.339 85.877,18.339 84.658,18.364 32.347,18.542 32.969,18.542 33.729,18.542 34.47,18.542 35.212,18.542 35.89,18.542 87.705,18.745 58.716,18.897 72.39,18.957 75.171,19.015 80.734,19.279 83.897,19.279 84.53,19.279 85.162,19.279 85.795,19.279 87.06,19.279 87.693,19.279 86.428,19.304 72.39,19.583 75.171,19.68 83.883,19.914 80.734,19.958 72.796,20.066 75.171,20.371 75.78,20.371 76.695,20.371 77.371,20.371 78.046,20.371 78.722,20.371 79.398,20.371 80.073,20.371 84.239,20.472 80.733,20.574 73.609,20.98 74.244,20.98 74.905,20.98 84.239,21.12 80.733,21.234 81.292,21.615 83.591,21.768 84.239,21.768 51.359,22.199
  other v3: 42.663,0.609 43.433,0.609 44.204,0.609 44.974,0.609 49.242,0.635 50.082,0.635 50.923,0.635 51.763,0.635 52.604,0.635 53.445,0.635 54.285,0.635 55.126,0.635 55.967,0.635 56.807,0.635 57.648,0.635 58.488,0.635 59.329,0.635 60.17,0.635 61.01,0.635 61.851,0.635 62.691,0.635 63.532,0.635 64.373,0.635 65.213,0.635 29.582,0.704 30.301,0.704 31.021,0.704 31.741,0.704 36.084,0.711 36.796,0.711 37.507,0.711 38.218,0.711 66.243,0.787 66.992,0.787 67.742,0.787 3.638,0.812 24.451,0.99 25.188,0.99 2.734,1.041 20.322,1.226 2.048,1.498 61.226,1.981 62.05,1.981 62.873,1.981 63.697,1.981 1.49,2.032 1.155,2.794 1.155,3.588 1.155,4.325 1.155,5.061 1.155,5.798 1.155,6.534 4.279,8.788 27.407,9.195 4.279,9.582 27.407,9.88 4.279,10.319 65.777,10.566 66.59,10.592 4.279,11.056 65.777,11.303 66.59,11.303 4.279,11.792 4.279,12.529 3.554,17.325 2.716,17.981 90.618,18.389 2.716,18.909 90.618,19.177 2.716,19.837 87.697,19.964 88.671,19.964 89.645,19.964 90.618,19.964 2.716,20.765 85.894,21.006 2.716,21.694 69.943,21.768 70.705,21.768 85.894,21.768 71.462,21.793 76.085,22.428 76.847,22.428 69.938,22.479 70.7,22.479 71.462,22.504 85.894,22.53 2.716,22.622 58.589,22.758 85.894,23.292 82.955,25.476 83.717,25.476 74.536,25.502 74.561,26.213 72.682,28.545 73.494,29.54 74.231,29.54 81.246,30.226 81.22,30.937 90.055,30.937 87.591,31.547 81.228,31.648 87.591,32.652 7.899,33.452 87.591,33.757 7.087,34.315 8.75,34.741 81.064,36.627 3.471,36.728 81.042,37.389 7.988,37.535 3.471,37.556 3.471,38.384 9.645,38.63 3.471,39.212 9.67,39.357 3.471,40.04 80.775,40.451 3.471,40.868 88.942,41.021 1.383,41.554 88.942,41.757 1.383,42.348 1.383,43.085 76.4,43.774 1.383,43.822 1.383,44.558 1.383,45.295 3.568,47.143 4.362,47.143 5.099,47.143 5.835,47.143 6.572,47.143 7.309,47.143 16.827,47.143 17.621,47.143 18.358,47.143 19.094,47.143 19.831,47.143 20.567,47.143 76.365,47.168 77.147,47.168 77.93,47.168 78.712,47.168 79.495,47.168 80.278,47.168 81.06,47.168 81.843,47.168 82.625,47.168 83.408,47.168 84.191,47.168 84.973,47.168 85.756,47.168 86.538,47.168 87.321,47.168 88.104,47.168
  other v4: 11.047,1.354
  other v6: 77.943,11.887 79.043,11.887 80.143,11.887 77.943,12.987 79.043,12.987 80.143,12.987 77.943,14.087 79.043,14.087 80.143,14.087
HPBP: C8.2 C9.2 U1.75 | length 5.1
  TOP w0.152: C9.2@22.335,12.162 22.335,10.765 22.36,10.765 22.487,10.638 23.122,10.638 23.122,10.664 23.172,10.664 24.011,11.508 U1.75@25.56,11.508